# KiCad board boethia60.kicad_pcb
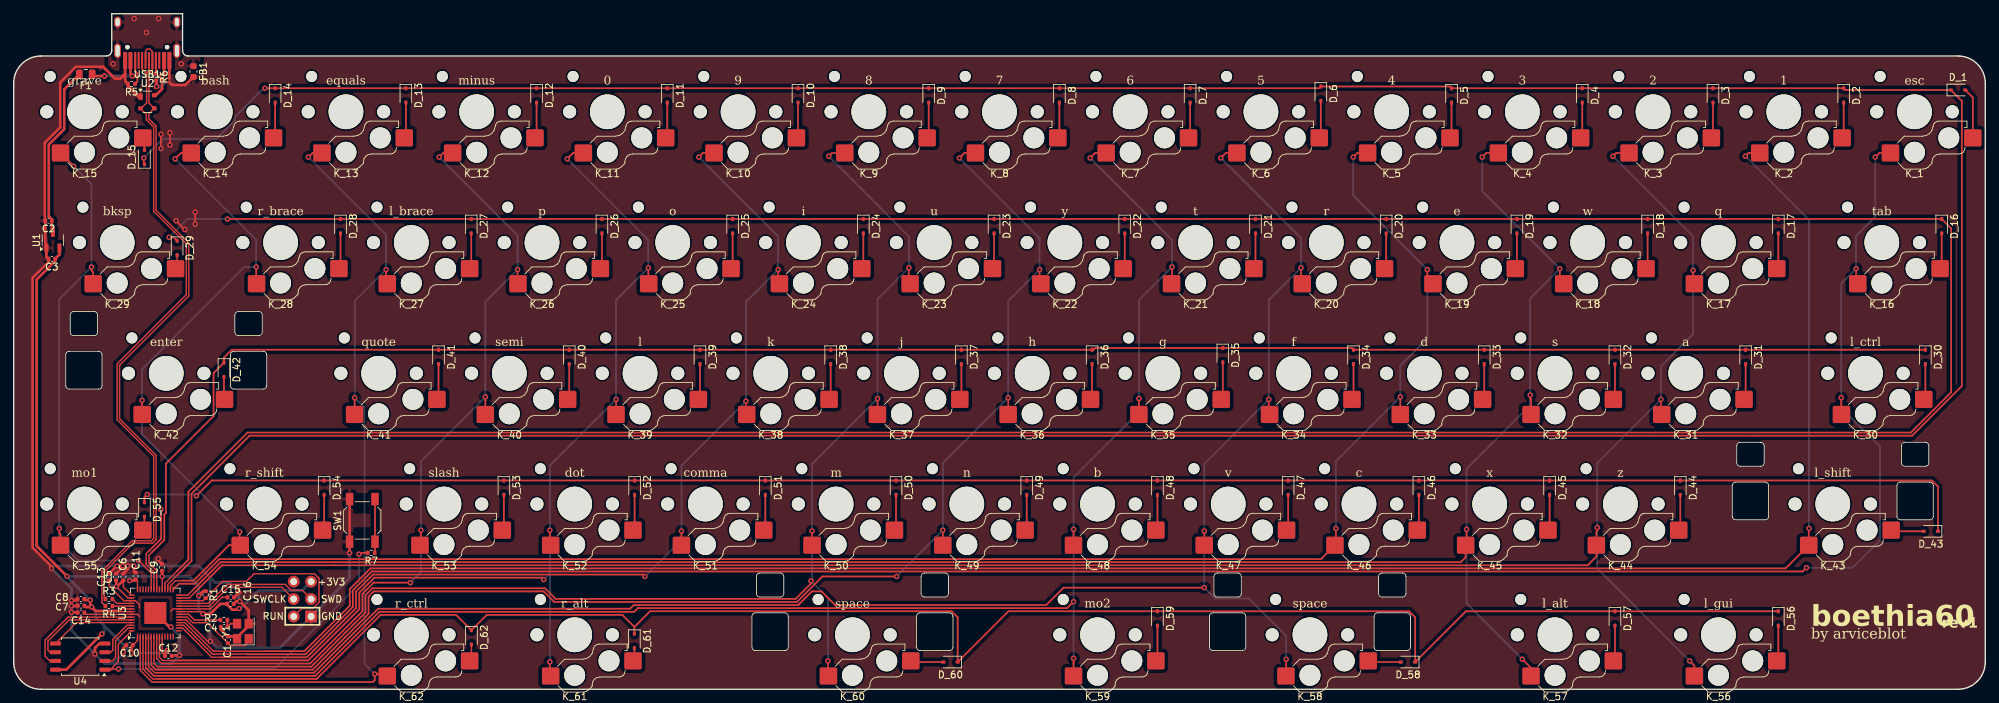
[diagram p0: board, top side]
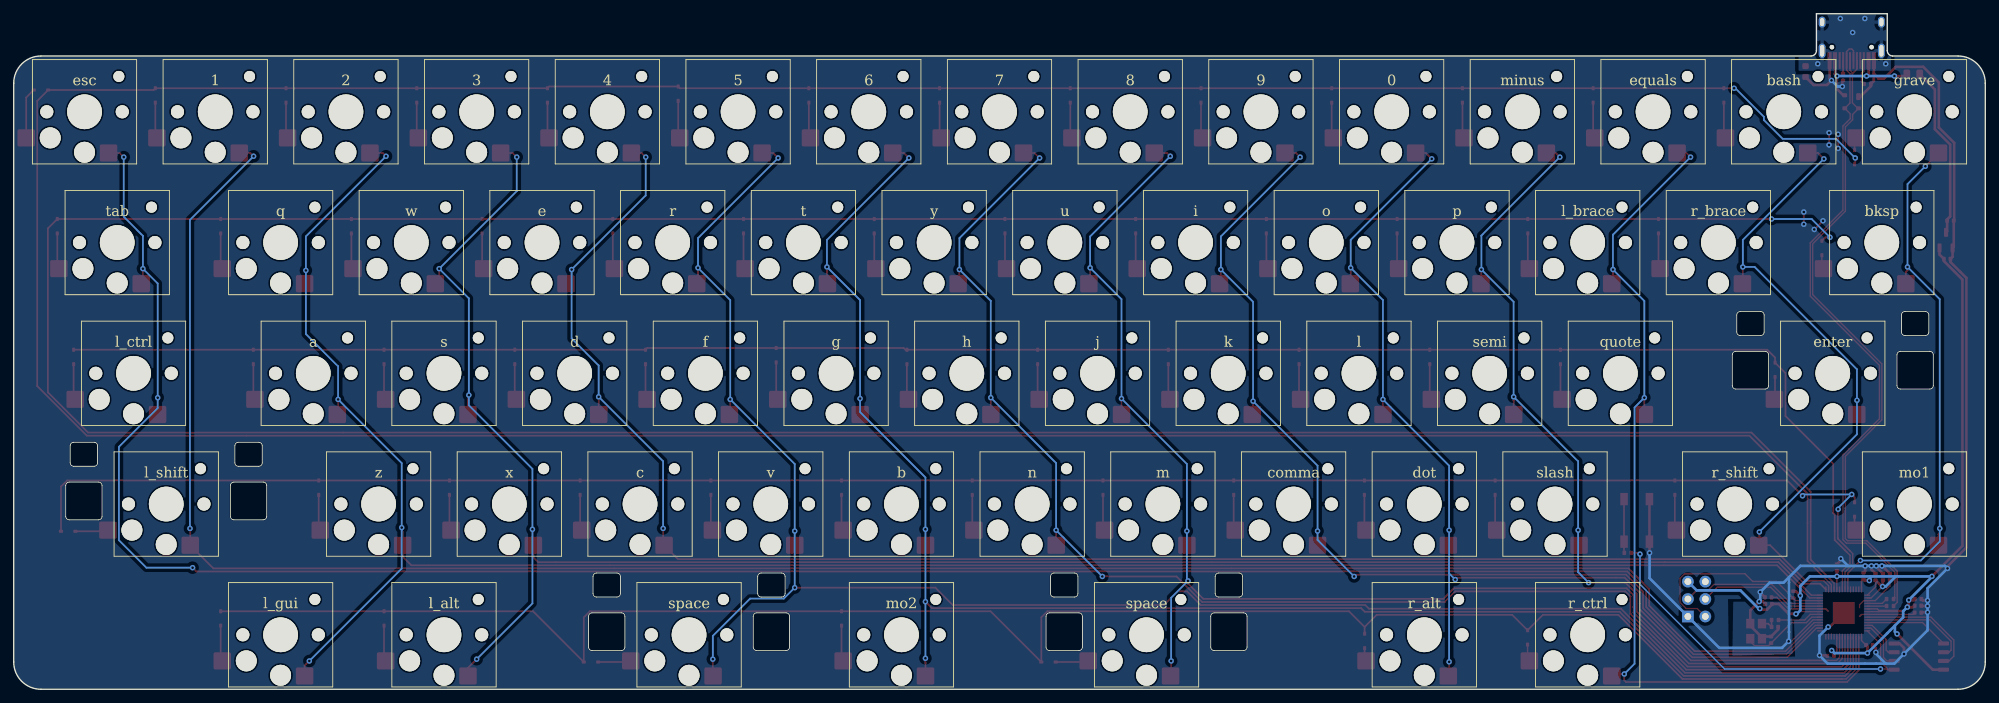
[diagram p1: board, bottom side, seen from below]

Outline 287.34 x 98.42 mm; copper layers: Top, Bottom. Coordinates in mm from the lower left corner of the outline.
Outline path: 0,88.3 0,3.97 arc(1.16,1.16) 3.97,0 283.37,0 arc(286.18,1.16) 287.34,3.97 287.34,88.3 arc(286.18,91.1) 283.37,92.27 25.4,92.27 arc(24.84,92.5) 24.61,93.06 24.61,98.42 14.29,98.42 14.29,93.06 arc(14.06,92.5) 13.49,92.27 3.97,92.27 arc(1.16,91.1) 0,88.3
Stack: Top 0.035mm / dielectric 1.51mm FR4 er 4.5 / Bottom 0.035mm

## Placement (name value [footprint] x y rotation side)
C1  22p  [C_0402_1005Metric]  31.22 7.2 270 top
C2  1u  [C_0402_1005Metric]  5.08 68.26 180 top
C3  1u  [C_0402_1005Metric]  5.56 62.71 180 top
C4  22p  [C_0402_1005Metric]  30.67 9.08 0 top
C5  1u  [C_0402_1005Metric]  14.92 16.37 90 top
C6  100n  [C_0402_1005Metric]  15.98 16.37 90 top
C7  100n  [C_0402_1005Metric]  9.81 12.18 180 top
C8  100n  [C_0402_1005Metric]  9.79 13.14 180 top
C9  100n  [C_0402_1005Metric]  21.62 17.74 90 top
C10  100n  [C_0402_1005Metric]  16.9 6.44 180 top
C11  100n  [C_0402_1005Metric]  17.76 16.5 90 top
C12  100n  [C_0402_1005Metric]  22.54 4.86 0 top
C13  1u  [C_0402_1005Metric]  13.9 16.37 90 top
C14  100n  [C_0402_1005Metric]  9.81 11.16 180 top
C15  100n  [C_0402_1005Metric]  31.63 13.4 0 top
C16  100n  [C_0402_1005Metric]  31.58 12.43 0 top
D_1  D  [D_SOD-323]  283.37 87.31 0 top
D_2  D  [D_SOD-323]  266.7 86.52 270 top
D_3  D  [D_SOD-323]  247.65 86.52 270 top
D_4  D  [D_SOD-323]  228.6 86.52 270 top
D_5  D  [D_SOD-323]  209.55 86.52 270 top
D_6  D  [D_SOD-323]  190.5 86.77 270 top
D_7  D  [D_SOD-323]  171.45 86.52 270 top
D_8  D  [D_SOD-323]  152.4 86.52 270 top
D_9  D  [D_SOD-323]  133.35 86.52 270 top
D_10  D  [D_SOD-323]  114.3 86.52 270 top
D_11  D  [D_SOD-323]  95.25 86.52 270 top
D_12  D  [D_SOD-323]  76.2 86.52 270 top
D_13  D  [D_SOD-323]  57.15 86.52 270 top
D_14  D  [D_SOD-323]  38.1 86.52 270 top
D_15  D  [D_SOD-323]  19.05 77.53 90 top
D_16  D  [D_SOD-323]  280.99 67.47 270 top
D_17  D  [D_SOD-323]  257.18 67.47 270 top
D_18  D  [D_SOD-323]  238.12 67.47 270 top
D_19  D  [D_SOD-323]  219.07 67.47 270 top
D_20  D  [D_SOD-323]  200.02 67.47 270 top
D_21  D  [D_SOD-323]  180.97 67.47 270 top
D_22  D  [D_SOD-323]  161.92 67.47 270 top
D_23  D  [D_SOD-323]  142.88 67.47 270 top
D_24  D  [D_SOD-323]  123.83 67.47 270 top
D_25  D  [D_SOD-323]  104.78 67.47 270 top
D_26  D  [D_SOD-323]  85.73 67.47 270 top
D_27  D  [D_SOD-323]  66.67 67.47 270 top
D_28  D  [D_SOD-323]  47.62 67.47 270 top
D_29  D  [D_SOD-323]  23.81 64.29 270 top
D_30  D  [D_SOD-323]  278.61 48.42 270 top
D_31  D  [D_SOD-323]  252.41 48.42 270 top
D_32  D  [D_SOD-323]  233.36 48.42 270 top
D_33  D  [D_SOD-323]  214.31 48.42 270 top
D_34  D  [D_SOD-323]  195.26 48.42 270 top
D_35  D  [D_SOD-323]  176.21 48.67 270 top
D_36  D  [D_SOD-323]  157.16 48.42 270 top
D_37  D  [D_SOD-323]  138.11 48.42 270 top
D_38  D  [D_SOD-323]  119.06 48.42 270 top
D_39  D  [D_SOD-323]  100.01 48.42 270 top
D_40  D  [D_SOD-323]  80.96 48.42 270 top
D_41  D  [D_SOD-323]  61.91 48.42 270 top
D_42  D  [D_SOD-323]  30.64 46.55 270 top
D_43  D  [D_SOD-323]  279.4 23.02 180 top
D_44  D  [D_SOD-323]  242.89 29.37 270 top
D_45  D  [D_SOD-323]  223.84 29.37 270 top
D_46  D  [D_SOD-323]  204.79 29.37 270 top
D_47  D  [D_SOD-323]  185.74 29.37 270 top
D_48  D  [D_SOD-323]  166.69 29.37 270 top
D_49  D  [D_SOD-323]  147.64 29.37 270 top
D_50  D  [D_SOD-323]  128.59 29.37 270 top
D_51  D  [D_SOD-323]  109.54 29.37 270 top
D_52  D  [D_SOD-323]  90.49 29.37 270 top
D_53  D  [D_SOD-323]  71.44 29.37 270 top
D_54  D  [D_SOD-323]  45.24 29.37 270 top
D_55  D  [D_SOD-323]  19.05 26.19 270 top
D_56  D  [D_SOD-323]  257.18 10.32 270 top
D_57  D  [D_SOD-323]  233.36 10.32 270 top
D_58  D  [D_SOD-323]  203.2 3.97 180 top
D_59  D  [D_SOD-323]  166.69 10.32 270 top
D_60  D  [D_SOD-323]  136.52 3.97 180 top
D_61  D  [D_SOD-323]  90.46 7.05 270 top
D_62  D  [D_SOD-323]  66.71 7.56 270 top
F1  500m  [Fuse_0805_2012Metric]  10.49 89.6 180 top
FB1  60@100MHz  [L_0603_1608Metric]  26.19 90 270 top
J1  Conn_01x06  [Reset_Pretty-Mask_rp2040]  42.07 13.14 0 top
K_1  esc  [SW_Hotswap_Kailh_Choc_V1V2_annotated]  277.02 84.14 0 bottom
K_2  1  [SW_Hotswap_Kailh_Choc_V1V2_annotated]  257.97 84.14 0 bottom
K_3  2  [SW_Hotswap_Kailh_Choc_V1V2_annotated]  238.92 84.14 0 bottom
K_4  3  [SW_Hotswap_Kailh_Choc_V1V2_annotated]  219.87 84.14 0 bottom
K_5  4  [SW_Hotswap_Kailh_Choc_V1V2_annotated]  200.82 84.14 0 bottom
K_6  5  [SW_Hotswap_Kailh_Choc_V1V2_annotated]  181.77 84.14 0 bottom
K_7  6  [SW_Hotswap_Kailh_Choc_V1V2_annotated]  162.72 84.14 0 bottom
K_8  7  [SW_Hotswap_Kailh_Choc_V1V2_annotated]  143.67 84.14 0 bottom
K_9  8  [SW_Hotswap_Kailh_Choc_V1V2_annotated]  124.62 84.14 0 bottom
K_10  9  [SW_Hotswap_Kailh_Choc_V1V2_annotated]  105.57 84.14 0 bottom
K_11  0  [SW_Hotswap_Kailh_Choc_V1V2_annotated]  86.52 84.14 0 bottom
K_12  minus  [SW_Hotswap_Kailh_Choc_V1V2_annotated]  67.47 84.14 0 bottom
K_13  equals  [SW_Hotswap_Kailh_Choc_V1V2_annotated]  48.42 84.14 0 bottom
K_14  bash  [SW_Hotswap_Kailh_Choc_V1V2_annotated]  29.37 84.14 0 bottom
K_15  grave  [SW_Hotswap_Kailh_Choc_V1V2_annotated]  10.32 84.14 0 bottom
K_16  tab  [SW_Hotswap_Kailh_Choc_V1V2_annotated]  272.26 65.09 0 bottom
K_17  q  [SW_Hotswap_Kailh_Choc_V1V2_annotated]  248.44 65.09 0 bottom
K_18  w  [SW_Hotswap_Kailh_Choc_V1V2_annotated]  229.39 65.09 0 bottom
K_19  e  [SW_Hotswap_Kailh_Choc_V1V2_annotated]  210.34 65.09 0 bottom
K_20  r  [SW_Hotswap_Kailh_Choc_V1V2_annotated]  191.29 65.09 0 bottom
K_21  t  [SW_Hotswap_Kailh_Choc_V1V2_annotated]  172.24 65.09 0 bottom
K_22  y  [SW_Hotswap_Kailh_Choc_V1V2_annotated]  153.19 65.09 0 bottom
K_23  u  [SW_Hotswap_Kailh_Choc_V1V2_annotated]  134.14 65.09 0 bottom
K_24  i  [SW_Hotswap_Kailh_Choc_V1V2_annotated]  115.09 65.09 0 bottom
K_25  o  [SW_Hotswap_Kailh_Choc_V1V2_annotated]  96.04 65.09 0 bottom
K_26  p  [SW_Hotswap_Kailh_Choc_V1V2_annotated]  76.99 65.09 0 bottom
K_27  l_brace  [SW_Hotswap_Kailh_Choc_V1V2_annotated]  57.94 65.09 0 bottom
K_28  r_brace  [SW_Hotswap_Kailh_Choc_V1V2_annotated]  38.89 65.09 0 bottom
K_29  bksp  [SW_Hotswap_Kailh_Choc_V1V2_annotated]  15.08 65.09 0 bottom
K_30  l_ctrl  [SW_Hotswap_Kailh_Choc_V1V2_annotated]  269.88 46.04 0 bottom
K_31  a  [SW_Hotswap_Kailh_Choc_V1V2_annotated]  243.68 46.04 0 bottom
K_32  s  [SW_Hotswap_Kailh_Choc_V1V2_annotated]  224.63 46.04 0 bottom
K_33  d  [SW_Hotswap_Kailh_Choc_V1V2_annotated]  205.58 46.04 0 bottom
K_34  f  [SW_Hotswap_Kailh_Choc_V1V2_annotated]  186.53 46.04 0 bottom
K_35  g  [SW_Hotswap_Kailh_Choc_V1V2_annotated]  167.48 46.04 0 bottom
K_36  h  [SW_Hotswap_Kailh_Choc_V1V2_annotated]  148.43 46.04 0 bottom
K_37  j  [SW_Hotswap_Kailh_Choc_V1V2_annotated]  129.38 46.04 0 bottom
K_38  k  [SW_Hotswap_Kailh_Choc_V1V2_annotated]  110.33 46.04 0 bottom
K_39  l  [SW_Hotswap_Kailh_Choc_V1V2_annotated]  91.28 46.04 0 bottom
K_40  semi  [SW_Hotswap_Kailh_Choc_V1V2_annotated]  72.23 46.04 0 bottom
K_41  quote  [SW_Hotswap_Kailh_Choc_V1V2_annotated]  53.18 46.04 0 bottom
K_42  enter  [SW_Hotswap_Kailh_Choc_V1V2_annotated]  22.22 46.04 0 bottom
K_43  l_shift  [SW_Hotswap_Kailh_Choc_V1V2_annotated]  265.11 26.99 0 bottom
K_44  z  [SW_Hotswap_Kailh_Choc_V1V2_annotated]  234.16 26.99 0 bottom
K_45  x  [SW_Hotswap_Kailh_Choc_V1V2_annotated]  215.11 26.99 0 bottom
K_46  c  [SW_Hotswap_Kailh_Choc_V1V2_annotated]  196.06 26.99 0 bottom
K_47  v  [SW_Hotswap_Kailh_Choc_V1V2_annotated]  177.01 26.99 0 bottom
K_48  b  [SW_Hotswap_Kailh_Choc_V1V2_annotated]  157.96 26.99 0 bottom
K_49  n  [SW_Hotswap_Kailh_Choc_V1V2_annotated]  138.91 26.99 0 bottom
K_50  m  [SW_Hotswap_Kailh_Choc_V1V2_annotated]  119.86 26.99 0 bottom
K_51  comma  [SW_Hotswap_Kailh_Choc_V1V2_annotated]  100.81 26.99 0 bottom
K_52  dot  [SW_Hotswap_Kailh_Choc_V1V2_annotated]  81.76 26.99 0 bottom
K_53  slash  [SW_Hotswap_Kailh_Choc_V1V2_annotated]  62.71 26.99 0 bottom
K_54  r_shift  [SW_Hotswap_Kailh_Choc_V1V2_annotated]  36.51 26.99 0 bottom
K_55  mo1  [SW_Hotswap_Kailh_Choc_V1V2_annotated]  10.32 26.99 0 bottom
K_56  l_gui  [SW_Hotswap_Kailh_Choc_V1V2_annotated]  248.44 7.94 0 bottom
K_57  l_alt  [SW_Hotswap_Kailh_Choc_V1V2_annotated]  224.63 7.94 0 bottom
K_58  space  [SW_Hotswap_Kailh_Choc_V1V2_annotated]  188.91 7.94 0 bottom
K_59  mo2  [SW_Hotswap_Kailh_Choc_V1V2_annotated]  157.96 7.94 0 bottom
K_60  space  [SW_Hotswap_Kailh_Choc_V1V2_annotated]  122.24 7.94 0 bottom
K_61  r_alt  [SW_Hotswap_Kailh_Choc_V1V2_annotated]  81.76 7.94 0 bottom
K_62  r_ctrl  [SW_Hotswap_Kailh_Choc_V1V2_annotated]  57.94 7.94 0 bottom
R1  1k  [R_0402_1005Metric]  27.97 13.78 270 top
R2  1k  [R_0402_1005Metric]  30.64 10.1 180 top
R3  27.4  [R_0402_1005Metric]  13.87 13.14 0 top
R4  27.4  [R_0402_1005Metric]  13.87 12.13 180 top
R5  5.1k  [R_0402_1005Metric]  17.17 88.2 180 top
R6  5.1k  [R_0402_1005Metric]  20.73 89.22 270 top
R7  1k  [R_0402_1005Metric]  52.1 19.88 180 top
REF**  -  [STAB_choc_2u]  188.91 7.94 180 bottom
REF**#2  -  [STAB_choc_2u]  122.24 7.94 180 bottom
REF**#3  -  [STAB_choc_2u]  22.22 46.04 180 bottom
REF**#4  -  [STAB_choc_2u]  265.11 26.99 180 bottom
SW1  SW_Push  [SW_SPST_SKQG_WithStem]  50.8 24.61 90 top
U1  NCP1117-3.3_SOT223  [SOT-23-3]  5.71 65.43 90 top
U2  PRTR5V0U2X  [SOT-143]  19.48 85.6 0 top
U3  RP2040  [QFN-56-1EP_7x7mm_P0.4mm_EP3.2x3.2mm]  20.64 11.11 90 top
U4  W25Q128JVS  [SOIC-8_5.23x5.23mm_P1.27mm]  9.68 4.76 180 top
USB1  HRO-TYPE-C-31-M-12  [HRO-TYPE-C-31-M-12-HandSoldering]  19.46 99.81 180 top
Y1  Crystal_GND24_Small  [Crystal_SMD_3225-4Pin_3.2x2.5mm]  33.39 8.46 90 top

## Library data of the parts
C1 C4 = -: Description: Unpolarized capacitor; JLCPCB Part: C1555; ki_fp_filters: C_*
C2 C3 C5 C13 = -: Description: Unpolarized capacitor; JLCPCB Part: C52923; ki_fp_filters: C_*
C6-C12 C14-C16 = -: Description: Unpolarized capacitor; JLCPCB Part: C14663; ki_fp_filters: C_*
D_1-D_62 = -: JLCPCB Part: C2128; ki_fp_filters: TO-???* *_Diode_* *SingleDiode* D_*
F1 = -: Description: Resettable fuse, polymeric positive temperature coefficient, small symbol; JLCPCB Part: C1015; ki_fp_filters: *polyfuse* *PTC*
FB1 = -: Description: Ferrite bead, small symbol; JLCPCB Part: C14709; ki_fp_filters: Inductor_* L_* *Ferrite*
J1 = -: Description: Generic connector, single row, 01x06, script generated (kicad-library-utils/schlib/autogen/connector/); ki_fp_filters: Connector*:*_1x??_*
R1 R2 R7 = -: Description: Resistor; JLCPCB Part: C11702; ki_fp_filters: R_*
R3 R4 = -: Description: Resistor; JLCPCB Part: C274349; ki_fp_filters: R_*
R5 R6 = -: Description: Resistor; JLCPCB Part: C25905; ki_fp_filters: R_*
SW1 = -: Description: Push button switch, generic, two pins; JLCPCB Part: C318884
U1 = -: Datasheet: http://www.onsemi.com/pub_link/Collateral/NCP1117-D.PDF; Description: 1A Low drop-out regulator, Fixed Output 3.3V, SOT-223; JLCPCB Part: C5446; ki_fp_filters: SOT?223*TabPin2*
U2 = -: JLCPCB Part: C2827688
U3 = -: Datasheet: https://datasheets.raspberrypi.com/rp2040/rp2040-datasheet.pdf; Description: A microcontroller by Raspberry Pi; JLCPCB Part: C2040; ki_fp_filters: QFN*1EP*7x7mm?P0.4mm*
U4 = -: Datasheet: https://www.winbond.com/resource-files/w25q128jv_dtr%20revc%2003272018%20plus.pdf; Description: 128Mb Serial Flash Memory, Standard/Dual/Quad SPI, SOIC-8; JLCPCB Part: C82317; ki_fp_filters: SOIC*5.23x5.23mm*P1.27mm*
USB1 = -: JLCPCB Part: C165948
Y1 = -: Description: Four pin crystal, GND on pins 2 and 4, small symbol; JLCPCB Part: C9002; ki_fp_filters: Crystal*

## Footprints (pads in the part's own frame, mm; a bottom-side part is the same pattern mirrored in y, then rotated)
C_0402_1005Metric
  rrect 0.56x0.62 smd: 1(-0.48,0) 2(0.48,0)
Crystal_SMD_3225-4Pin_3.2x2.5mm
  rect 1.4x1.2 smd: 1(-1.1,-0.85) 2(1.1,-0.85) 3(1.1,0.85) 4(-1.1,0.85)
D_SOD-323
  rrect 0.6x0.45 smd: 1(-1.05,0) 2(1.05,0)
Fuse_0805_2012Metric
  rrect 0.975x1.4 smd: 1(-0.938,0) 2(0.938,0)
HRO-TYPE-C-31-M-12-HandSoldering
  round 0.65 hole 0.65 unplated: (-2.89,6.25) (2.89,6.25)
  rect 0.6x2.45 smd: 1(-3.225,8.195) 2(-2.45,8.195) 11(2.45,8.195) 12(3.225,8.195)
  rect 0.3x2.45 smd: 3(-1.75,8.195) 4(-1.25,8.195) 5(-0.75,8.195) 6(-0.25,8.195) 7(0.25,8.195) 8(0.75,8.195) 9(1.25,8.195) 10(1.75,8.195)
  oval 1x2.1 hole 0.6x1.7: 13(-4.32,6.78) 13(4.32,6.78)
  oval 1x1.6 hole 0.6x1.2: 13(-4.32,2.6) 13(4.32,2.6)
L_0603_1608Metric
  rrect 0.875x0.95 smd: 1(-0.787,0) 2(0.787,0)
QFN-56-1EP_7x7mm_P0.4mm_EP3.2x3.2mm
  rrect 1.29x1.29 smd: (-0.8,0.8) (-0.8,-0.8) (0.8,0.8) (0.8,-0.8)
  rrect 0.875x0.2 smd: 1(-3.438,2.6) 2(-3.438,2.2) 3(-3.438,1.8) 4(-3.438,1.4) 5(-3.438,1) 6(-3.438,0.6) 7(-3.438,0.2) 8(-3.438,-0.2) 9(-3.438,-0.6) 10(-3.438,-1) 11(-3.438,-1.4) 12(-3.438,-1.8) 13(-3.438,-2.2) 14(-3.438,-2.6) 29(3.438,-2.6) 30(3.438,-2.2) 31(3.438,-1.8) 32(3.438,-1.4) 33(3.438,-1) 34(3.438,-0.6) 35(3.438,-0.2) 36(3.438,0.2) 37(3.438,0.6) 38(3.438,1) 39(3.438,1.4) 40(3.438,1.8) 41(3.438,2.2) 42(3.438,2.6)
  rrect 0.2x0.875 smd: 15(-2.6,-3.438) 16(-2.2,-3.438) 17(-1.8,-3.438) 18(-1.4,-3.438) 19(-1,-3.438) 20(-0.6,-3.438) 21(-0.2,-3.438) 22(0.2,-3.438) 23(0.6,-3.438) 24(1,-3.438) 25(1.4,-3.438) 26(1.8,-3.438) 27(2.2,-3.438) 28(2.6,-3.438) 43(2.6,3.438) 44(2.2,3.438) 45(1.8,3.438) 46(1.4,3.438) 47(1,3.438) 48(0.6,3.438) 49(0.2,3.438) 50(-0.2,3.438) 51(-0.6,3.438) 52(-1,3.438) 53(-1.4,3.438) 54(-1.8,3.438) 55(-2.2,3.438) 56(-2.6,3.438)
  rect 3.2x3.2 smd: 57(0,0)
R_0402_1005Metric
  rrect 0.54x0.64 smd: 1(-0.51,0) 2(0.51,0)
Reset_Pretty-Mask_rp2040
  round 1.7 hole 1: 1(-1.27,2.54) 2(1.27,2.54) 3(-1.27,0) 4(1.27,0) 5(-1.27,-2.54)
  rect 1.7x1.7 hole 1: 6(1.27,-2.54)
SOIC-8_5.23x5.23mm_P1.27mm
  rrect 1.6x0.6 smd: 1(-3.6,1.905) 2(-3.6,0.635) 3(-3.6,-0.635) 4(-3.6,-1.905) 5(3.6,-1.905) 6(3.6,-0.635) 7(3.6,0.635) 8(3.6,1.905)
SOT-23-3
  rrect 1.325x0.6 smd: 1(-1.137,0.95) 2(-1.137,-0.95) 3(1.137,0)
SOT-143
  rrect 0.7x1 smd: 1(-1,0.75)
  rrect 0.7x0.6 smd: 2(-1,-0.95) 3(1,-0.95) 4(1,0.95)
SW_Hotswap_Kailh_Choc_V1V2_annotated
  round 1.9 hole 1.9 unplated: (-5.5,0) (5.5,0)
  round 1.6 hole 1.6 unplated: (-5,-5.15)
  round 5.05 hole 5.05 unplated: (0,0)
  round 3.05 hole 3.05 unplated: (0,5.9) (5,3.8)
  rrect 2.55x2.5 smd far side: 1(-3.5,6) 2(8.5,3.8)
SW_SPST_SKQG_WithStem
  rect 1.8x1.1 smd: 1(-3.1,1.85) 1(3.1,1.85) 2(-3.1,-1.85) 2(3.1,-1.85)

## Nets
+1V1: C13.1 C14.1 C15.1 U3.23 U3.45 U3.50
+3V3: C3.1 C5.1 C6.1 C7.1 C8.1 C9.1 C10.1 C11.1 C12.1 C16.1 J1.2 R1.1 U1.2 U3.1 U3.10 U3.22 U3.33 U3.42 U3.43 U3.44 U3.48 U3.49 U4.8
+5V: C2.1 F1.2 U1.3
GND: C1.1 C2.2 C3.2 C4.1 C5.2 C6.2 C7.2 C8.2 C9.2 C10.2 C11.2 C12.2 C13.2 C14.2 C15.2 C16.2 FB1.2 J1.6 R5.2 R6.2 SW1.1 U1.1 U2.1 U3.19 U3.57 U4.4 USB1.1 USB1.12 Y1.2 Y1.4
VBUS: F1.1 U2.4 USB1.2 USB1.11
/CS: R7.2 U3.56 U4.1
/D+: R4.1 U3.47
/D-: R3.2 U3.46
/RUN: J1.5 R1.2 U3.26
/SCLK: U3.52 U4.6
/SD0: U3.53 U4.5
/SD1: U3.55 U4.2
/SD2: U3.54 U4.3
/SD3: U3.51 U4.7
/SWCLK: J1.3 U3.24
/SWD: J1.4 U3.25
/XIN: C1.2 U3.20 Y1.1
/XOUT: R2.2 U3.21
col0: K_1.1 K_16.1 K_30.1 U3.17
col1: K_2.1 K_43.1 U3.18
col2: K_3.1 K_17.1 K_31.1 K_44.1 K_56.1 U3.27
col3: K_4.1 K_18.1 K_32.1 K_45.1 K_57.1 U3.28
col4: K_5.1 K_19.1 K_33.1 K_46.1 U3.29
col5: K_6.1 K_20.1 K_34.1 K_47.1 K_58.1 U3.5
col6: K_7.1 K_21.1 K_35.1 K_48.1 K_59.1 U3.4
col7: K_8.1 K_22.1 K_36.1 K_49.1 U3.6
col8: K_9.1 K_23.1 K_37.1 K_50.1 K_60.1 U3.7
col9: K_10.1 K_24.1 K_38.1 K_51.1 U3.16
col10: K_11.1 K_25.1 K_39.1 K_52.1 K_61.1 U3.9
col11: K_12.1 K_26.1 K_40.1 K_53.1 U3.8
col12: K_13.1 K_27.1 K_41.1 K_62.1 U3.2
col13: K_14.1 K_28.1 K_42.1 K_54.1 U3.30
col14: K_15.1 K_29.1 K_55.1 U3.37
DN: R3.1 U2.3 USB1.5 USB1.7
DP: R4.2 U2.2 USB1.6 USB1.8
Earth: FB1.1 USB1.13
GPIO8: U3.11
GPIO9: U3.12
GPIO10: U3.13
GPIO11: U3.14
GPIO12: U3.15
GPIO22: U3.34
GPIO26: U3.38
GPIO27: U3.39
GPIO28: U3.40
GPIO29: U3.41
row0: D_1.1 D_2.1 D_3.1 D_4.1 D_5.1 D_6.1 D_7.1 D_8.1 D_9.1 D_10.1 D_11.1 D_12.1 D_13.1 D_14.1 D_15.1 U3.31
row1: D_16.1 D_17.1 D_18.1 D_19.1 D_20.1 D_21.1 D_22.1 D_23.1 D_24.1 D_25.1 D_26.1 D_27.1 D_28.1 D_29.1 U3.32
row2: D_30.1 D_31.1 D_32.1 D_33.1 D_34.1 D_35.1 D_36.1 D_37.1 D_38.1 D_39.1 D_40.1 D_41.1 D_42.1 U3.35
row3: D_43.1 D_44.1 D_45.1 D_46.1 D_47.1 D_48.1 D_49.1 D_50.1 D_51.1 D_52.1 D_53.1 D_54.1 D_55.1 U3.36
row4: D_56.1 D_57.1 D_58.1 D_59.1 D_60.1 D_61.1 D_62.1 U3.3
Net-(C4-Pad2): C4.2 R2.1 Y1.3
Net-(D_1-A): D_1.2 K_1.2
Net-(D_2-A): D_2.2 K_2.2
Net-(D_3-A): D_3.2 K_3.2
Net-(D_4-A): D_4.2 K_4.2
Net-(D_5-A): D_5.2 K_5.2
Net-(D_6-A): D_6.2 K_6.2
Net-(D_7-A): D_7.2 K_7.2
Net-(D_8-A): D_8.2 K_8.2
Net-(D_9-A): D_9.2 K_9.2
Net-(D_10-A): D_10.2 K_10.2
Net-(D_11-A): D_11.2 K_11.2
Net-(D_12-A): D_12.2 K_12.2
Net-(D_13-A): D_13.2 K_13.2
Net-(D_14-A): D_14.2 K_14.2
Net-(D_15-A): D_15.2 K_15.2
Net-(D_16-A): D_16.2 K_16.2
Net-(D_17-A): D_17.2 K_17.2
Net-(D_18-A): D_18.2 K_18.2
Net-(D_19-A): D_19.2 K_19.2
Net-(D_20-A): D_20.2 K_20.2
Net-(D_21-A): D_21.2 K_21.2
Net-(D_22-A): D_22.2 K_22.2
Net-(D_23-A): D_23.2 K_23.2
Net-(D_24-A): D_24.2 K_24.2
Net-(D_25-A): D_25.2 K_25.2
Net-(D_26-A): D_26.2 K_26.2
Net-(D_27-A): D_27.2 K_27.2
Net-(D_28-A): D_28.2 K_28.2
Net-(D_29-A): D_29.2 K_29.2
Net-(D_30-A): D_30.2 K_30.2
Net-(D_31-A): D_31.2 K_31.2
Net-(D_32-A): D_32.2 K_32.2
Net-(D_33-A): D_33.2 K_33.2
Net-(D_34-A): D_34.2 K_34.2
Net-(D_35-A): D_35.2 K_35.2
Net-(D_36-A): D_36.2 K_36.2
Net-(D_37-A): D_37.2 K_37.2
Net-(D_38-A): D_38.2 K_38.2
Net-(D_39-A): D_39.2 K_39.2
Net-(D_40-A): D_40.2 K_40.2
Net-(D_41-A): D_41.2 K_41.2
Net-(D_42-A): D_42.2 K_42.2
Net-(D_43-A): D_43.2 K_43.2
Net-(D_44-A): D_44.2 K_44.2
Net-(D_45-A): D_45.2 K_45.2
Net-(D_46-A): D_46.2 K_46.2
Net-(D_47-A): D_47.2 K_47.2
Net-(D_48-A): D_48.2 K_48.2
Net-(D_49-A): D_49.2 K_49.2
Net-(D_50-A): D_50.2 K_50.2
Net-(D_51-A): D_51.2 K_51.2
Net-(D_52-A): D_52.2 K_52.2
Net-(D_53-A): D_53.2 K_53.2
Net-(D_54-A): D_54.2 K_54.2
Net-(D_55-A): D_55.2 K_55.2
Net-(D_56-A): D_56.2 K_56.2
Net-(D_57-A): D_57.2 K_57.2
Net-(D_58-A): D_58.2 K_58.2
Net-(D_59-A): D_59.2 K_59.2
Net-(D_60-A): D_60.2 K_60.2
Net-(D_61-A): D_61.2 K_61.2
Net-(D_62-A): D_62.2 K_62.2
Net-(R7-Pad1): R7.1 SW1.2
Net-(USB1-CC1): R6.1 USB1.4
Net-(USB1-CC2): R5.1 USB1.10

Pads without a net: J1 1; USB1 3 9

## Via types
v1: diameter 0.8, hole 0.4, Top to Bottom, 127 vias

## Routing (per net, layer and track width the routed paths; a pad name or vN(x,y) marks a point on that pad's centre or on a via; arc(x,y) is an arc through that point)
+1V1: length 24.2
  Top w0.2: 22.89,11.37 23.24,11.71 U3.23 28.68,11.71 30.37,13.4 C15.1 ; C13.1 13.9,15.05 16.04,12.91 U3.45 17.73,12.91 18.32,12.33 18.32,11.87 ; 18.32,10.6 18.01,10.91 U3.50 10.54,10.91 C14.1
+3V3: length 162.5
  Top w0.2: U3.43 15.98,14.93 C6.1 ; C11.1 18.04,15.74 U3.42 ; v1(21.62,16.45) 21.64,16.43 U3.33 ; v1(14.97,14.97) 16.63,13.31 U3.44 ; U3.10 21.64,5.29 C12.1 ; U3.48 15.73,11.71 15.42,11.4 15.51,11.31 U3.49 ; U3.22 27.26,11.31 v1(27.59,10.99) ; U3.1 18.04,7.1 C10.1
  Top w0.381: v1(22.38,5.65) 22.06,5.33 C12.1 ; v1(17.18,5.27) 17.18,6.24 C10.1 ; v1(11.36,11.98) 11.16,12.18 v1(11.16,12.99) 10.42,12.99 C8.1 ; v1(11.36,11.98) 11.93,11.4 15.42,11.4 ; v1(11.36,11.98) 10.5,11.98 C7.1 ; v1(32.86,11.76) 32.69,11.59 31.83,11.59 31.1,12.33 C16.1 30.1,12.43 28.65,10.99 v1(27.59,10.99) ; R1.1 27.59,14.29 v1(26.96,13.65) ; U4.8 7.65,2.86 v1(12.86,8.06) ; C6.1 15.07,14.97 v1(14.97,14.97) 14.97,15.84 C5.1 ; U1.2 6.66,63.33 C3.1 6.04,62.4 3.33,59.69 3.33,20.89 v1(7.78,16.45) ; C11.1 17.58,15.84 v1(16.9,15.84) ; v1(21.62,16.45) C9.1
  Bottom w0.381: v1(11.36,11.98) 11.97,11.37 11.97,10.48 13.18,9.27 ; J1.2 42.07,14.41 35.69,14.41 33.04,11.76 v1(32.86,11.76) ; 13.18,9.27 13.18,8.38 v1(12.86,8.06) ; 13.18,9.27 v1(17.18,5.27) 22,5.27 v1(22.38,5.65) ; 13.04,16.45 v1(7.78,16.45) 7.78,16.37 v1(11.16,12.99) ; 13.04,16.45 16.74,16.45 ; 13.04,16.45 14.51,14.97 v1(14.97,14.97) ; 16.74,16.45 16.74,15.99 v1(16.9,15.84) ; 16.74,16.45 25.56,16.45 26.96,15.05 v1(26.96,13.65) 26.96,11.49 27.46,10.99 v1(27.59,10.99)
+5V: length 25.1
  Top w0.381: F1.2 7.35,87.39 7.35,81.61 5.11,79.37 5.11,68.9 5.56,68.45 C2.1 5.56,66.72 U1.3
GND: length 260.4
  Top w0.2: 21.64,10.11 U3.57 ; v1(28.66,6.98) 28.24,6.98 25.11,10.11 U3.19
  Top w0.25: v1(21.44,80.86) v1(21.44,78.8) 21.44,78.8 21.37,78.8 ; v1(26.45,67.75) v1(26.45,69.53) ; v1(22.76,81.09) v1(22.76,79.31) 22.76,79.35 ; v1(24.92,66.99) v1(23.65,68.26)
  Top w0.381: U2.1 18.2,86.35 16.66,87.88 R5.2 16.24,88.63 16.24,89.73 ; v1(20.83,87.82) 20.83,88.61 R6.2 ; USB1.1 22.69,88.98 v1(22.41,88.71) 23.07,88.05 25.02,88.05 FB1.2 ; v1(16.59,17.97) 16.59,17.46 C6.2 ; v1(21.06,19.04) 21.06,18.78 C9.2 ; v1(22.89,9.08) 22.67,9.08 U3.57 ; C12.2 23.08,4.93 v1(24.16,4.93) ; v1(15.07,17.97) 15.02,17.97 C13.2 ; v1(8.41,12.13) 9.28,12.13 C7.2 ; C4.1 30.19,8.71 C1.1 32.22,7.68 Y1.4 32.54,7.56 34.24,9.26 Y1.2 34.24,11.5 v1(32.95,12.79) 32.41,12.79 C16.2 ; v1(15.88,17.97) 15.88,17.81 C5.2 ; USB1.12 16.24,89.73 ; 16.24,89.73 16.24,89.67 15.53,88.96 14.76,88.96 13.04,90.69 9.04,90.69 6.77,88.42 6.77,81.85 4.53,79.61 4.53,68.33 C2.2 4.6,64.46 U1.1 4.76,63.02 C3.2 5.08,62.26 2.75,59.93 2.75,20.65 5.51,17.9 v1(5.51,17.6) ; v1(8.41,11.21) 9.28,11.21 C14.2 ; v1(11.84,5.14) 11.84,6.03 12.48,6.67 U4.4 ; v1(17.51,17.97) 17.51,17.23 C11.2 ; v1(15.94,5.38) 15.94,5.97 C10.2 ; v1(48.93,19.88) 48.93,21.48 SW1.1 SW1.1 ; v1(8.41,12.94) 9.1,12.94 C8.2 ; v1(32.8,14.16) 32.8,14.09 C15.2
  Bottom w0.381: v1(22.41,88.71) 21.52,87.82 v1(20.83,87.82) ; 14.51,3.75 15.94,5.18 v1(15.94,5.38) ; 14.51,3.75 13.24,3.75 v1(11.84,5.14) 8.41,8.57 v1(8.41,11.21) v1(8.41,12.13) v1(8.41,12.94) 8.41,14.69 v1(5.51,17.6) 5.87,17.97 14.76,17.97 ; 14.51,3.75 22.98,3.75 v1(24.16,4.93) 24.16,7.81 v1(22.89,9.08) ; 28.61,16.32 29.39,15.53 31.43,15.53 v1(32.8,14.16) 32.8,12.94 v1(32.95,12.79) ; 28.61,16.32 28.61,6.92 v1(28.66,6.98) 29.61,6.03 38.77,6.03 J1.6 48.93,16.19 v1(48.93,19.88) ; 28.61,16.32 26.96,17.97 20,17.97 ; 14.76,17.97 15.07,17.97 v1(15.07,17.97) ; 14.76,17.97 v1(17.51,17.97) 20,17.97 ; 20,17.97 v1(21.06,19.04)
VBUS: length 18.5
  Top w0.381: F1.1 11.69,89.34 v1(13.24,89.34) ; 17.01,91.61 17.01,89.64 v1(17.3,89.34) ; U2.4 20.7,86.55 21.62,87.47 v1(21.62,89.34) 21.91,89.63 USB1.2
  Bottom w0.381: v1(13.24,89.34) v1(17.3,89.34) v1(21.62,89.34)
/CS: length 54.9
  Top w0.2: U3.56 15.24,6.56 15.24,4.02 14.08,2.86 ; 14.08,2.86 U4.1 ; 14.08,2.86 14.26,2.86 14.35,2.96 v1(15.27,2.96)
  Top w0.25: R7.2 50.51,19.88 v1(50.32,19.69)
  Bottom w0.2: v1(15.27,2.96) 37.99,2.96 50.32,15.29 v1(50.32,19.69)
/D+: length 2.8
  Top w0.2: U3.47 14.4,12.11 R4.1
/D-: length 3.1
  Top w0.2: R3.2 15.01,12.51 U3.46
/RUN: length 30.4
  Top w0.2: J1.5 41.95,11.75 43.58,11.75 44.49,12.67 44.49,16.16 43.82,16.83 35.03,16.83 33.9,15.71 30.41,15.71 R1.2 27.62,12.91 U3.26
/SCLK: length 16
  Top w0.2: U3.52 8.09,10.11 4.98,7.01 4.98,5.7 5.28,5.4 U4.6
/SD0: length 12.4
  Top w0.2: U3.53 9.13,9.71 U4.5
/SD1: length 7.3
  Top w0.2: U3.55 16.67,8.91 14.84,7.09 14.84,4.64 14.34,4.13 U4.2
/SD2: length 6.4
  Top w0.2: U3.54 16.5,9.31 14.44,7.26 14.44,5.71 14.13,5.4 U4.3
/SD3: length 18.1
  Top w0.2: U4.7 5.28,4.13 4.58,4.83 4.58,7.17 7.92,10.51 U3.51
/SWCLK: length 18.6
  Top w0.2: J1.3 39.08,14.86 31.26,14.86 28.52,12.11 U3.24
/SWD: length 21.3
  Top w0.2: J1.4 42.07,14.41 40.44,14.41 39.58,15.28 31.12,15.28 28.35,12.51 U3.25
/XIN: length 12.6
  Top w0.2: Y1.1 34.24,6.97 33.64,6.36 31.58,6.36 C1.2 ; C1.2 31.19,6.72 ; C1.2 28.24,9.7 26.09,9.7 25.27,10.51 U3.20
/XOUT: length 6.4
  Top w0.2: R2.2 26.32,10.1 25.5,10.91 U3.21
col0: length 325.4
  Top w0.2: U3.17 24.77,9.31 28.96,5.12 34.05,5.12 34.07,5.1
  Top w0.25: v1(266.35,42.48) 266.35,40.06 K_30.1 ; K_1.1 271.91,78.14 v1(271.3,77.53) ; v1(268.51,61.28) 268.51,59.33 K_16.1 ; v1(261.27,17.72) 260.72,17.16 52.18,17.16 49.43,14.42 49.43,12 42.53,5.1 34.07,5.1
  Bottom w0.25: v1(261.27,17.72) 268,17.72 272.01,21.73 272.01,35.31 266.35,40.97 v1(266.35,42.48) 266.35,59.12 v1(268.51,61.28) 268.51,66.06 271.3,68.86 v1(271.3,77.53)
col1: length 309.9
  Top w0.2: 36.73,5.55 29.1,5.55 24.94,9.71 U3.18
  Top w0.25: 36.73,5.55 42.35,5.55 48.98,12.18 48.98,14.6 51.99,17.61 258.24,17.61 K_43.1 261.61,23.39 v1(261.65,23.43) ; v1(252.38,77.66) 252.86,78.14 K_2.1
  Bottom w0.25: v1(252.38,77.66) 261.65,68.39 v1(261.65,23.43)
col2: length 312.4
  Top w0.2: 26.38,14.1 25.59,13.31 U3.27
  Top w0.25: K_56.1 244.94,3.44 v1(244.25,4.13) ; v1(244.76,61.02) 244.76,59.27 K_17.1 ; v1(230.79,23.56) 230.79,23.05 230.66,22.92 K_44.1 230.66,19.33 229.38,18.06 30.34,18.06 26.38,14.1 ; K_3.1 233.55,78.14 v1(233.08,77.66) ; v1(240.06,42.23) 240.06,40.16 K_31.1
  Bottom w0.25: v1(244.25,4.13) 230.79,17.59 v1(230.79,23.56) 230.79,32.96 v1(240.06,42.23) 240.06,47.05 244.76,51.75 v1(244.76,61.02) 244.76,65.98 v1(233.08,77.66)
col3: length 291.6
  Top w0.2: 26.19,14.55 25.35,13.71 U3.28
  Top w0.25: K_57.1 221.13,3.12 v1(219.87,4.38) ; K_32.1 221.13,42.23 221.01,42.35 v1(221.01,42.86) ; K_4.1 214.63,78.14 v1(214.03,77.53) ; 26.19,14.55 30.15,18.51 210.89,18.51 211.61,19.23 K_45.1 211.74,21.12 v1(211.74,23.3) ; v1(225.33,61.28) 225.33,59.65 K_18.1
  Bottom w0.25: v1(219.87,4.38) 211.74,12.51 v1(211.74,23.3) 211.74,32.11 221.01,41.38 v1(221.01,42.86) 221.01,56.96 v1(225.33,61.28) 214.03,72.58 v1(214.03,77.53)
col4: length 245.9
  Top w0.25: v1(195.23,77.53) 195.83,78.14 K_5.1 ; K_33.1 202.08,42.6 v1(202.09,42.61) ; v1(192.69,23.43) 192.69,21.12 K_46.1 190.53,18.96 29.97,18.96 26.38,15.37 24.06,15.37 23.26,14.57 23.26,14.55 ; K_19.1 206.03,59.91 v1(206.03,61.15)
  Bottom w0.25: v1(192.69,23.43) 192.69,33.21 v1(202.09,42.61) 202.09,47.18 206.03,51.12 v1(206.03,61.15) 195.23,71.95 v1(195.23,77.53)
col5: length 268.7
  Top w0.2: 20.86,2.4 20.57,2.4 19.64,3.33 U3.5
  Top w0.25: v1(173.51,14.81) 153.01,14.81 150.48,12.27 119.72,12.27 117.72,14.26 116.33,14.26 114.51,12.44 114.51,12.43 114.34,12.27 90.35,12.27 89.82,11.74 53.1,11.74 43.76,2.4 20.86,2.4 ; v1(175.93,77.41) 176.66,78.14 K_6.1 ; K_47.1 173.51,20.99 v1(173.51,23.05) ; K_34.1 182.91,40.16 v1(182.91,42.23) ; v1(185.45,4.38) 185.45,1.98 K_58.1 ; K_20.1 187.61,59.27 v1(187.61,61.4)
  Bottom w0.25: v1(185.45,4.38) 185.45,7.77 180.01,13.21 175.11,13.21 v1(173.51,14.81) v1(173.51,23.05) 173.51,32.83 v1(182.91,42.23) 182.91,56.71 v1(187.61,61.4) 187.61,65.72 v1(175.93,77.41)
col6: length 240.9
  Top w0.2: U3.4 19.24,3.13 19.26,3.11
  Top w0.25: K_48.1 154.46,20.99 v1(154.46,23.3) ; v1(163.99,42.35) 163.99,40.04 K_35.1 ; v1(154.46,12.76) 153.52,11.82 90.96,11.82 90.43,11.29 53.28,11.29 43.95,1.95 20.42,1.95 19.26,3.11 ; K_59.1 154.46,3.87 154.46,3.87 v1(154.46,4.51) ; K_21.1 168.81,59.16 v1(168.81,61.53) ; v1(156.88,77.41) 157.61,78.14 K_7.1
  Bottom w0.25: v1(156.88,77.41) 168.81,65.47 v1(168.81,61.53) 163.99,56.71 v1(163.99,42.35) 163.99,40.39 154.46,30.87 v1(154.46,23.3) v1(154.46,12.76) v1(154.46,4.51)
col7: length 205.3
  Top w0.2: 20.06,3.51 20.04,3.53 U3.6
  Top w0.25: v1(144.94,42.48) 144.94,40.04 K_36.1 ; 20.06,3.51 20.72,2.85 43.58,2.85 51.71,10.99 51.71,13.52 52.46,14.26 77.24,14.26 78.79,12.72 114.15,12.72 117.86,16.44 v1(128.68,16.44) ; v1(135.41,23.18) 135.41,20.99 K_49.1 ; K_8.1 138.56,78.14 v1(137.83,77.41) ; v1(149.51,61.15) 149.51,59.27 K_22.1
  Bottom w0.25: v1(128.68,16.44) 128.68,16.45 v1(135.41,23.18) 135.41,32.96 v1(144.94,42.48) 144.94,56.58 v1(149.51,61.15) 149.51,65.72 v1(137.83,77.41)
col8: length 205
  Top w0.2: U3.7 20.44,3.77 20.9,3.3
  Top w0.25: K_23.1 130.46,59.27 v1(130.46,61.4) ; K_9.1 119.25,78.14 v1(118.78,77.66) ; v1(116.19,15.79) 116.19,15.4 113.96,13.17 78.97,13.17 77.43,14.71 52.27,14.71 51.26,13.71 51.26,11.18 43.39,3.3 20.9,3.3 ; v1(116.36,23.05) 116.36,20.99 K_50.1 ; v1(125.89,42.35) 125.89,40.04 K_37.1 ; K_60.1 118.65,2.03 v1(118.65,4.13)
  Bottom w0.25: 116.36,15.62 v1(116.36,23.05) 116.36,32.83 v1(125.89,42.35) 125.89,56.83 v1(130.46,61.4) 130.46,65.98 v1(118.78,77.66) ; 116.36,15.62 118.65,13.34 v1(118.65,4.13) ; 116.36,15.62 v1(116.19,15.79)
col9: length 158.8
  Top w0.2: 30.15,4.65 28.87,4.65 24.61,8.91 U3.16
  Top w0.25: 30.15,4.65 42.72,4.65 49.88,11.81 49.88,14.23 52.36,16.71 91.7,16.71 v1(91.98,16.44) ; K_51.1 97.31,20.99 v1(97.31,23.05) ; v1(106.71,41.97) 106.71,40.16 K_38.1 ; K_24.1 111.41,59.27 v1(111.41,61.15) ; K_10.1 100.46,78.14 v1(99.85,77.53)
  Bottom w0.25: v1(91.98,16.44) 97.31,21.77 v1(97.31,23.05) 97.31,32.58 v1(106.71,41.97) 106.71,56.45 v1(111.41,61.15) 111.41,65.98 v1(99.85,77.53)
col10: length 164.7
  Top w0.2: 22.89,4.2 21.67,4.2 21.24,4.64 U3.9
  Top w0.25: v1(80.68,77.28) 81.53,78.14 K_11.1 ; v1(78.14,4) 78.14,2.06 K_61.1 ; K_52.1 78.14,21.11 v1(78.14,23.18) ; v1(77.25,15.99) 76.97,16.26 52.55,16.26 50.36,14.08 50.36,11.66 42.91,4.2 22.89,4.2 ; v1(92.49,61.4) 92.49,59.14 K_25.1 ; K_39.1 87.79,40.04 v1(87.79,42.23)
  Bottom w0.25: 78.14,18.86 78.14,16.88 v1(77.25,15.99) ; 78.14,18.86 v1(78.14,23.18) 78.14,32.58 v1(87.79,42.23) 87.79,56.71 v1(92.49,61.4) 92.49,65.47 v1(80.68,77.28) ; 78.14,18.86 v1(78.14,4)
col11: length 129.2
  Top w0.2: U3.8 20.84,4.48 21.56,3.75
  Top w0.25: v1(73.44,61.15) 73.44,59.14 K_26.1 ; 21.56,3.75 43.2,3.75 50.81,11.36 50.81,13.89 52.46,15.54 v1(57.82,15.54) ; v1(62.01,77.53) 62.61,78.14 K_12.1 ; K_40.1 68.73,42.09 68.74,42.1 v1(68.74,42.61) ; K_53.1 59.34,21.12 v1(59.34,23.18)
  Bottom w0.25: v1(62.01,77.53) 73.44,66.1 v1(73.44,61.15) 68.74,56.45 v1(68.74,42.61) 59.34,33.21 v1(59.34,23.18) 59.34,17.06 v1(57.82,15.54)
col12: length 132.7
  Top w0.2: U3.2 18.44,2.77 20.15,1.05
  Top w0.25: v1(49.69,42.48) 49.69,40.04 K_41.1 ; K_62.1 54.16,2.22 v1(52.61,2.22) 52.61,1.31 52.36,1.05 20.15,1.05 ; K_27.1 54.26,59.27 v1(54.26,61.15) ; K_13.1 43.56,78.14 v1(42.96,77.53)
  Bottom w0.25: v1(42.96,77.53) 54.26,66.23 v1(54.26,61.15) 49.69,56.58 v1(49.69,42.48) 51.12,41.05 51.12,3.71 v1(52.61,2.22)
col13: length 95.4
  Top w0.2: 24.54,15.82 23.58,15.82 22.84,15.08 U3.30
  Top w0.25: K_42.1 18.7,40.06 v1(18.7,42.1) ; v1(35.34,61.53) 35.34,59.14 K_28.1 ; K_14.1 24.38,78.14 v1(23.53,77.28) ; v1(32.92,22.92) 32.92,21.08 K_54.1 31.36,20.99 26.19,15.82 24.54,15.82
  Bottom w0.25: v1(23.53,77.28) 35.34,65.47 v1(35.34,61.53) 33.62,61.53 18.7,46.61 v1(18.7,42.1) 18.7,37.15 v1(32.92,22.92)
col14: length 83.2
  Top w0.2: v1(18.19,18.76) 20.04,16.92 U3.37
  Top w0.25: K_15.1 8.73,76.22 v1(8.73,76.2) ; v1(11.33,61.53) 11.33,61.02 11.58,60.78 K_29.1 ; v1(6.64,23.43) 6.64,22.8 6.82,22.61 K_55.1
  Bottom w0.25: v1(8.73,76.2) 11.33,73.6 v1(11.33,61.53) 6.64,56.83 v1(6.64,23.43) 6.64,21.53 9.4,18.76 v1(18.19,18.76)
DN: length 96.9
  Top w0.2: USB1.7 19.21,93.04 19.45,93.28 19.84,93.28 20.21,92.91 USB1.5 20.21,90.19 19.72,89.69 19.72,85.41 U2.3 19.69,83.85 19.69,83.12 20.74,82.06 20.74,69.79 25.51,65.03 25.51,57.29 15.42,47.21 15.42,39.41 20.74,34.09 20.74,21.79 20.24,21.29 17.4,21.29 13.19,17.08 13.19,13.31 R3.1
DP: length 96.5
  Top w0.2: USB1.6 19.71,90.18 19.37,89.84 19.37,89.6 ; U2.2 18.57,84.65 19.37,85.44 19.37,89.6 ; U2.2 18.48,84.68 ; U2.2 18.48,84.61 19.34,83.76 19.34,82.98 20.39,81.92 20.39,69.65 25.16,64.89 25.16,57.49 15.07,47.41 15.07,39.26 20.39,33.94 20.39,21.95 20.08,21.64 17.26,21.64 12.84,17.22 12.84,12.65 R4.2 ; 19.37,89.6 19.37,89.69 18.71,90.35 USB1.8
Earth:
  vias: v1(14.51,91.12) v1(17.56,97.73) v1(19.34,95.69) v1(21.11,97.73) v1(24.42,91.12)
row0: length 592.8
  Top w0.2: 23.91,16.7 23.89,16.7 22.44,15.25 U3.31
  Top w0.25: D_15.1 18.95,76.58 v1(18.95,77.41) ; v1(36.61,87.57) 36.61,87.57 D_14.1 D_13.1 D_12.1 D_11.1 D_10.1 D_9.1 D_8.1 D_7.1 190.24,87.57 D_6.1 209.29,87.82 D_5.1 D_4.1 D_3.1 D_2.1 266.96,87.31 D_1.1 283.92,85.71 283.92,44.19 276.68,36.95 34.37,36.95 25.91,28.49 25.91,18.7 23.91,16.7
  Bottom w0.25: v1(36.61,87.57) 36.42,87.57 32.27,83.41 32.27,82.94 29.53,80.2 21.75,80.2 v1(18.95,77.41)
row1: length 565.2
  Top w0.2: 23.78,17.21 22.04,15.47 U3.32
  Top w0.25: 23.78,17.21 25.46,18.89 25.46,28.79 34.07,37.4 276.5,37.4 282.36,43.26 282.36,67.15 D_16.1 D_17.1 D_18.1 D_19.1 D_20.1 D_21.1 D_22.1 D_23.1 D_24.1 D_25.1 D_26.1 D_27.1 D_28.1 31.15,68.52 v1(31.15,68.52) ; v1(22.64,65.85) 23.31,65.85 D_29.1
  Bottom w0.25: v1(22.64,65.85) 25.3,68.52 v1(31.15,68.52)
row2: length 287.8
  Top w0.2: U3.35 20.84,17.25 19.72,18.37 19.72,19.53 20.17,19.98
  Top w0.25: 99.6,49.47 D_40.1 D_41.1 31.78,49.47 30.64,48.33 D_42.1 29.12,46.08 29.12,39.82 22.17,32.87 22.17,25.69 21.94,25.46 21.94,21.76 20.17,19.98 ; 99.6,49.47 D_38.1 D_37.1 D_36.1 157.38,49.47 157.64,49.72 D_35.1 195.01,49.72 D_34.1 D_33.1 D_32.1 D_31.1 D_30.1 ; 99.6,49.47 D_39.1
row3: length 286.2
  Top w0.2: 19.72,20.16 19.32,19.76 19.32,18.2 20.44,17.08 U3.36
  Top w0.25: 19.72,20.16 21.49,21.94 21.49,26.17 v1(21.44,26.23) ; v1(26.63,28.19) 28.86,30.42 D_54.1 D_53.1 D_52.1 D_51.1 D_50.1 D_49.1 D_48.1 D_47.1 D_46.1 D_45.1 D_44.1 279.56,30.42 280.45,29.53 D_43.1 ; v1(19.46,28.38) 19.05,27.97 D_55.1
  Bottom w0.25: v1(26.63,28.19) 26.44,28.38 v1(19.46,28.38) 21.44,26.4 v1(21.44,26.23)
row4: length 271.9
  Top w0.2: 20.86,1.5 20.26,1.5 18.84,2.93 U3.3
  Top w0.25: D_56.1 D_57.1 211.65,11.37 D_58.1 204.25,10.48 203.36,11.37 D_59.1 144.97,11.37 D_60.1 137.57,10.48 136.69,11.37 92.74,11.37 90.46,9.08 ; 90.46,9.08 88.7,10.84 68.94,10.84 D_62.1 64.48,10.84 53.47,10.84 44.14,1.5 20.86,1.5 ; 90.46,9.08 D_61.1
Net-(C4-Pad2): length 2.6
  Top w0.25: Y1.3 31.63,9.56 C4.2 R2.1 ; Y1.3 32.53,9.58 ; Y1.3 32.53,9.57
Net-(D_1-A): length 7.8
  Top w0.25: D_1.2 285.52,86.21 K_1.2 285.75,80.57
Net-(D_2-A): length 5.2
  Top w0.25: D_2.2 266.7,80.57 K_2.2
Net-(D_3-A): length 5.2
  Top w0.25: D_3.2 247.65,80.57 K_3.2
Net-(D_4-A): length 5.2
  Top w0.25: K_4.2 228.6,80.57 D_4.2
Net-(D_5-A): length 5.2
  Top w0.25: K_5.2 209.55,80.57 D_5.2
Net-(D_6-A): length 5.5
  Top w0.25: K_6.2 190.5,80.57 D_6.2
Net-(D_7-A): length 5.2
  Top w0.25: K_7.2 171.45,80.57 D_7.2
Net-(D_8-A): length 5.2
  Top w0.25: K_8.2 152.4,80.57 D_8.2
Net-(D_9-A): length 5.2
  Top w0.25: K_9.2 133.35,80.57 D_9.2
Net-(D_10-A): length 5.2
  Top w0.25: D_10.2 114.3,80.57 K_10.2
Net-(D_11-A): length 5.2
  Top w0.25: D_11.2 95.25,80.57 K_11.2
Net-(D_12-A): length 5.2
  Top w0.25: K_12.2 76.2,80.57 D_12.2
Net-(D_13-A): length 5.2
  Top w0.25: D_13.2 57.15,80.57 K_13.2
Net-(D_14-A): length 5.2
  Top w0.25: K_14.2 38.1,80.57 D_14.2
Net-(D_15-A): length 2.2
  Top w0.25: 19.05,80.57 K_15.2 19.05,80.11 D_15.2
Net-(D_16-A): length 5.2
  Top w0.25: D_16.2 280.99,61.52 K_16.2
Net-(D_17-A): length 5.2
  Top w0.25: D_17.2 257.18,61.52 K_17.2
Net-(D_18-A): length 5.2
  Top w0.25: D_18.2 238.12,61.52 K_18.2
Net-(D_19-A): length 5.2
  Top w0.25: K_19.2 219.07,61.52 D_19.2
Net-(D_20-A): length 5.2
  Top w0.25: D_20.2 200.02,61.52 K_20.2
Net-(D_21-A): length 5.2
  Top w0.25: K_21.2 180.97,61.52 D_21.2
Net-(D_22-A): length 5.2
  Top w0.25: K_22.2 161.92,61.52 D_22.2
Net-(D_23-A): length 5.2
  Top w0.25: K_23.2 142.88,61.52 D_23.2
Net-(D_24-A): length 5.2
  Top w0.25: D_24.2 123.83,61.52 K_24.2
Net-(D_25-A): length 5.2
  Top w0.25: K_25.2 104.78,61.52 D_25.2
Net-(D_26-A): length 5.2
  Top w0.25: K_26.2 85.73,61.52 D_26.2
Net-(D_27-A): length 5.2
  Top w0.25: K_27.2 66.67,61.52 D_27.2
Net-(D_28-A): length 5.2
  Top w0.25: K_28.2 47.62,61.52 D_28.2
Net-(D_29-A): length 2.1
  Top w0.2: K_29.2 23.81,61.52 D_29.2
Net-(D_30-A): length 5.2
  Top w0.25: D_30.2 278.61,42.47 K_30.2
Net-(D_31-A): length 5.2
  Top w0.25: D_31.2 252.41,42.47 K_31.2
Net-(D_32-A): length 5.2
  Top w0.25: D_32.2 233.36,42.47 K_32.2
Net-(D_33-A): length 5.2
  Top w0.25: D_33.2 214.31,42.47 K_33.2
Net-(D_34-A): length 5.2
  Top w0.25: K_34.2 195.26,42.47 D_34.2
Net-(D_35-A): length 5.5
  Top w0.25: K_35.2 176.21,42.47 D_35.2
Net-(D_36-A): length 5.2
  Top w0.25: K_36.2 157.16,42.47 D_36.2
Net-(D_37-A): length 5.2
  Top w0.25: K_37.2 138.11,42.47 D_37.2
Net-(D_38-A): length 5.2
  Top w0.25: D_38.2 119.06,42.47 K_38.2
Net-(D_39-A): length 5.2
  Top w0.25: D_39.2 100.01,42.47 K_39.2
Net-(D_40-A): length 5.2
  Top w0.25: D_40.2 80.96,42.47 K_40.2
Net-(D_41-A): length 5.2
  Top w0.25: D_41.2 61.91,42.47 K_41.2
Net-(D_42-A): length 3.6
  Top w0.25: 30.64,45.5 30.64,42.32 K_42.2 30.96,42.47
Net-(D_43-A): length 4.8
  Top w0.25: K_43.2 273.78,23.02 D_43.2
Net-(D_44-A): length 5.2
  Top w0.25: D_44.2 242.89,23.42 K_44.2
Net-(D_45-A): length 5.2
  Top w0.25: K_45.2 223.84,23.42 D_45.2
Net-(D_46-A): length 5.2
  Top w0.25: K_46.2 204.79,23.42 D_46.2
Net-(D_47-A): length 5.2
  Top w0.25: K_47.2 185.74,23.42 D_47.2
Net-(D_48-A): length 5.2
  Top w0.25: D_48.2 166.69,23.42 K_48.2
Net-(D_49-A): length 5.2
  Top w0.25: D_49.2 147.64,23.42 K_49.2
Net-(D_50-A): length 5.2
  Top w0.25: D_50.2 128.59,23.42 K_50.2
Net-(D_51-A): length 5.2
  Top w0.25: D_51.2 109.54,23.42 K_51.2
Net-(D_52-A): length 5.2
  Top w0.25: D_52.2 90.49,23.42 K_52.2
Net-(D_53-A): length 5.2
  Top w0.25: K_53.2 71.44,23.42 D_53.2
Net-(D_54-A): length 5.2
  Top w0.25: D_54.2 45.24,23.42 K_54.2
Net-(D_55-A): length 2.1
  Top w0.25: K_55.2 19.05,23.42 D_55.2
Net-(D_56-A): length 5.2
  Top w0.25: K_56.2 257.18,4.37 D_56.2
Net-(D_57-A): length 5.2
  Top w0.25: D_57.2 233.36,4.37 K_57.2
Net-(D_58-A): length 4.8
  Top w0.25: K_58.2 197.58,3.97 D_58.2
Net-(D_59-A): length 5.2
  Top w0.25: D_59.2 166.69,4.37 K_59.2
Net-(D_60-A): length 4.8
  Top w0.25: D_60.2 130.91,3.97 K_60.2
Net-(D_61-A): length 2.3
  Top w0.25: D_61.2 90.46,4.34 K_61.2 90.49,4.37
Net-(D_62-A): length 2.5
  Top w0.2: D_62.2 66.71,4.4 K_62.2
Net-(R7-Pad1): length 7.8
  Top w0.25: SW1.2 SW1.2 52.65,19.92 R7.1
Net-(USB1-CC1): length 1.9
  Top w0.25: R6.1 20.71,89.75 USB1.4
Net-(USB1-CC2): length 3.7
  Top w0.25: USB1.10 17.71,90.09 18.03,89.77 18.03,88.55 R5.1

## Copper pours and planes (outline as drawn; the poured copper is in the pictures)
+1V1 on Top: 23.65,8.06 17.68,8.06 17.68,14.16 23.65,14.16 ; 1 cut-out
GND on Top, Bottom: 291.24,101.54 292.39,-6.16 -8.1,-3.75 -7.33,102.3 ; 3 cut-outs
GND on Top, Bottom: 28.1,12.76 36.73,12.76 36.86,4.89 28.1,5.14
Earth on Top, Bottom: 13.75,99 27.21,99 27.21,90.11 13.75,90.11

## Text on the board
F.Silkscreen: by arviceblot | rev1 | boethia60
